# Altium PCB CONTROLLER_BASE.PcbDoc (part 1 of 7)
Units mm, origin at the board's own origin, x right, y up, seen from the top; angles counter-clockwise.
Board outline 258 x 160 mm, 4 copper layers (Top Layer, Internal Plane 1, Internal Plane 2, Bottom Layer); 818 components, 410 nets, 2314 pads, 511 vias.
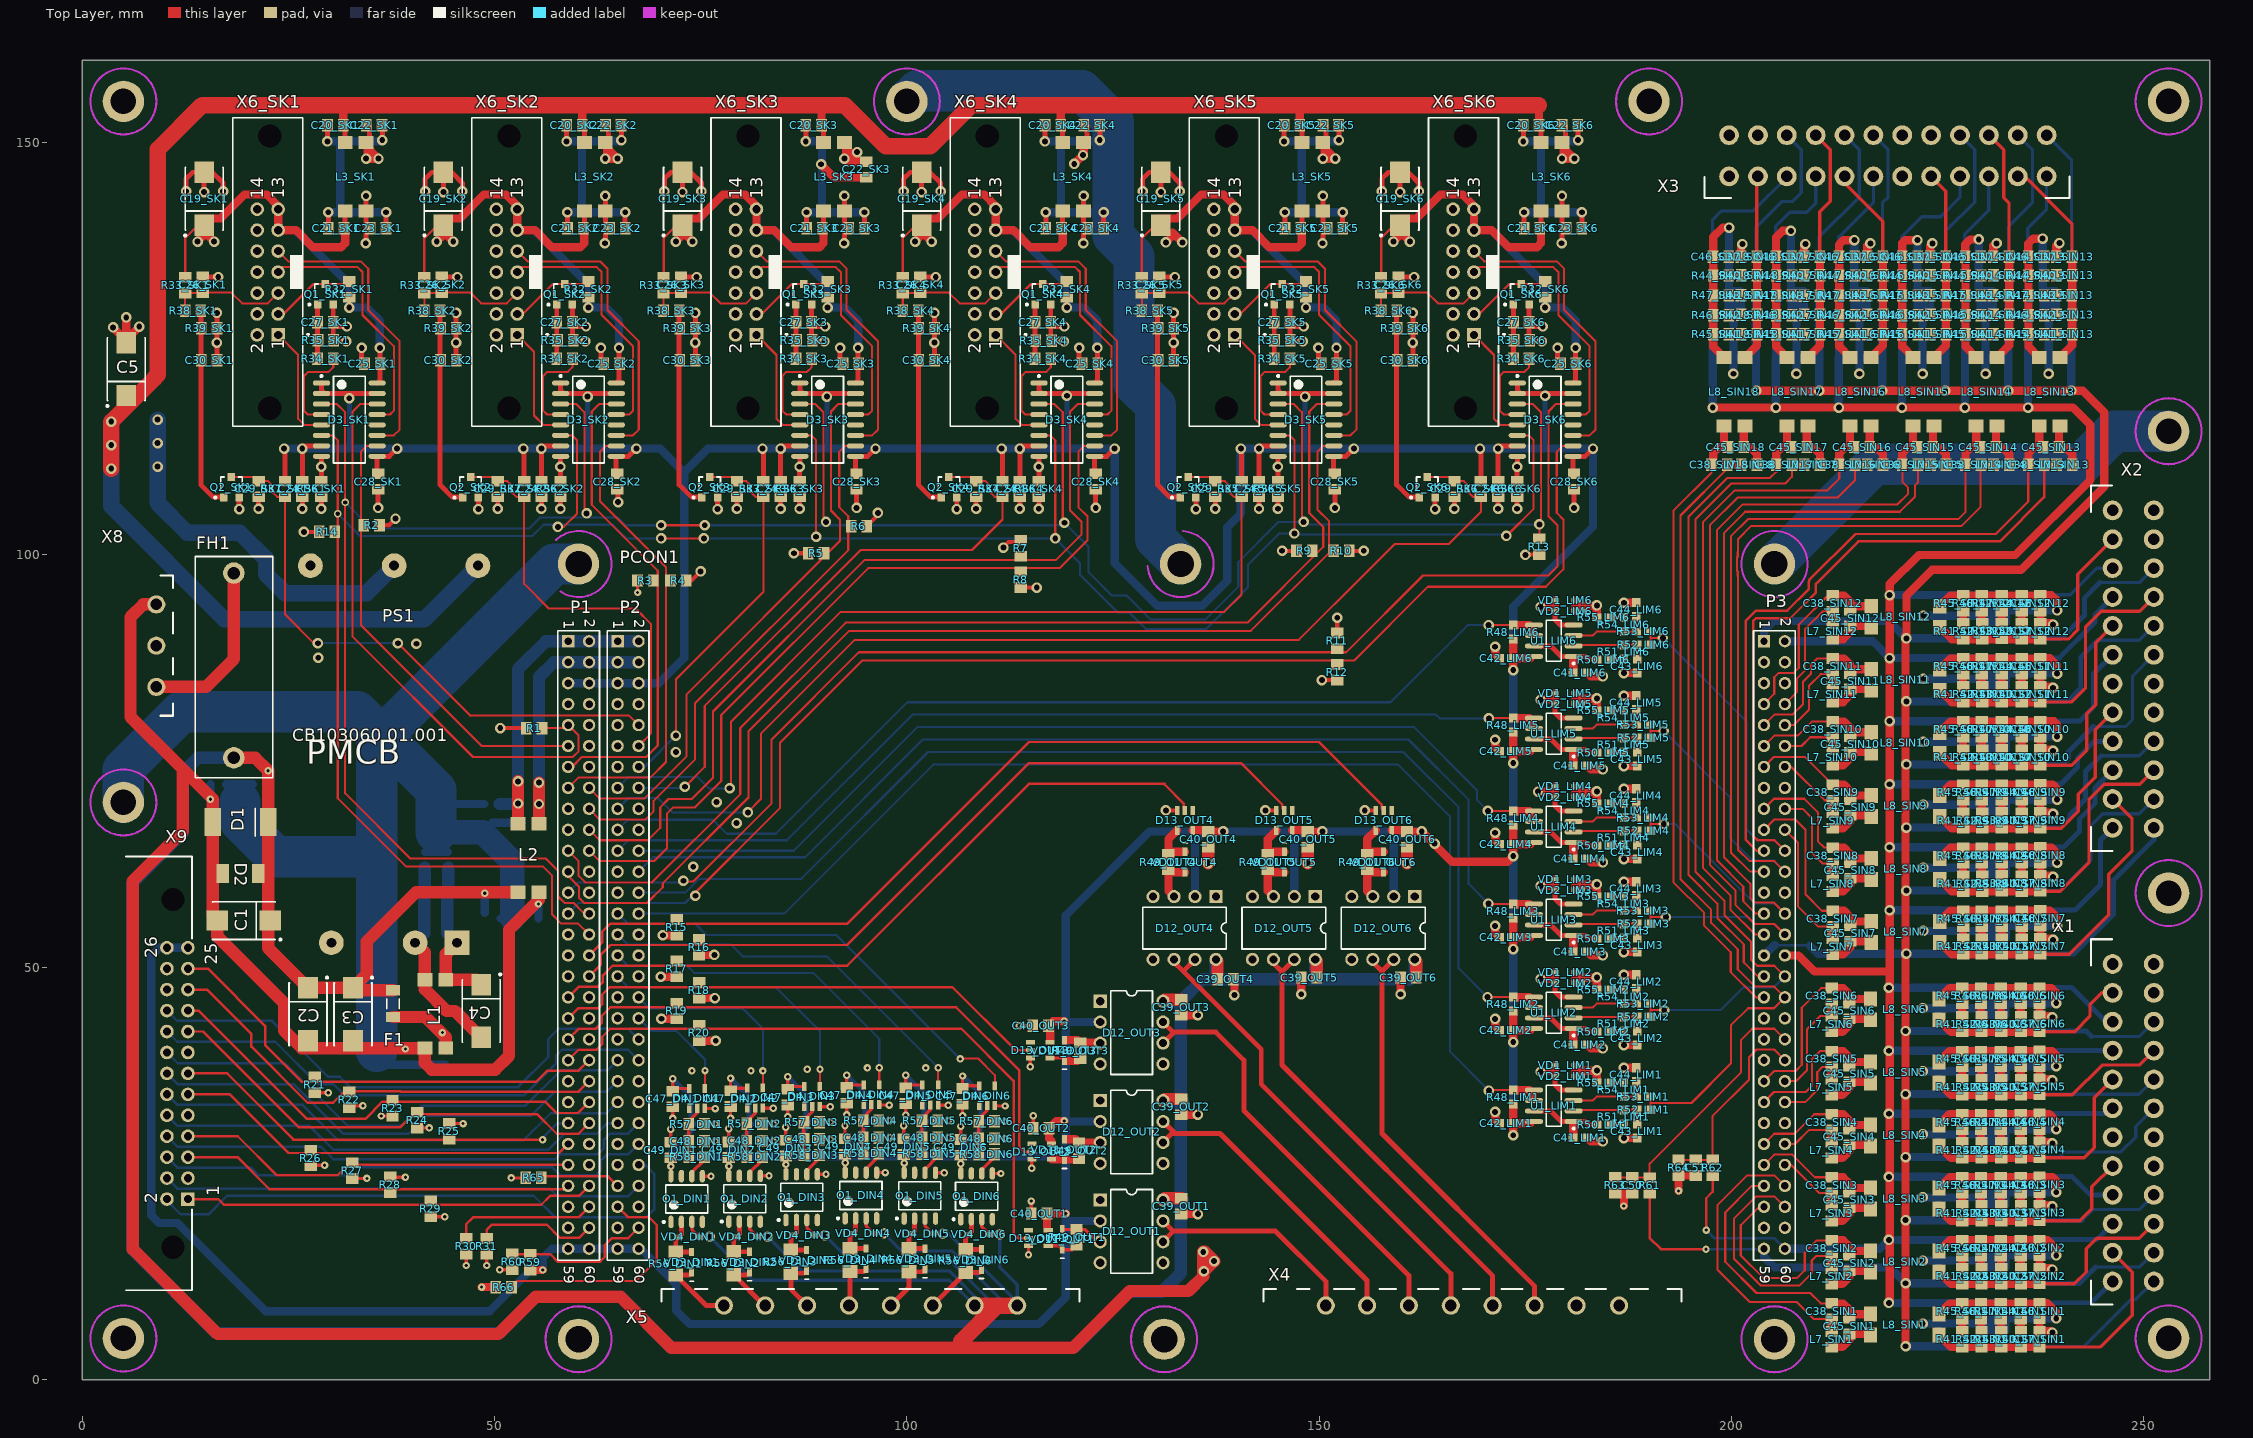
[diagram p0: Top Layer view]
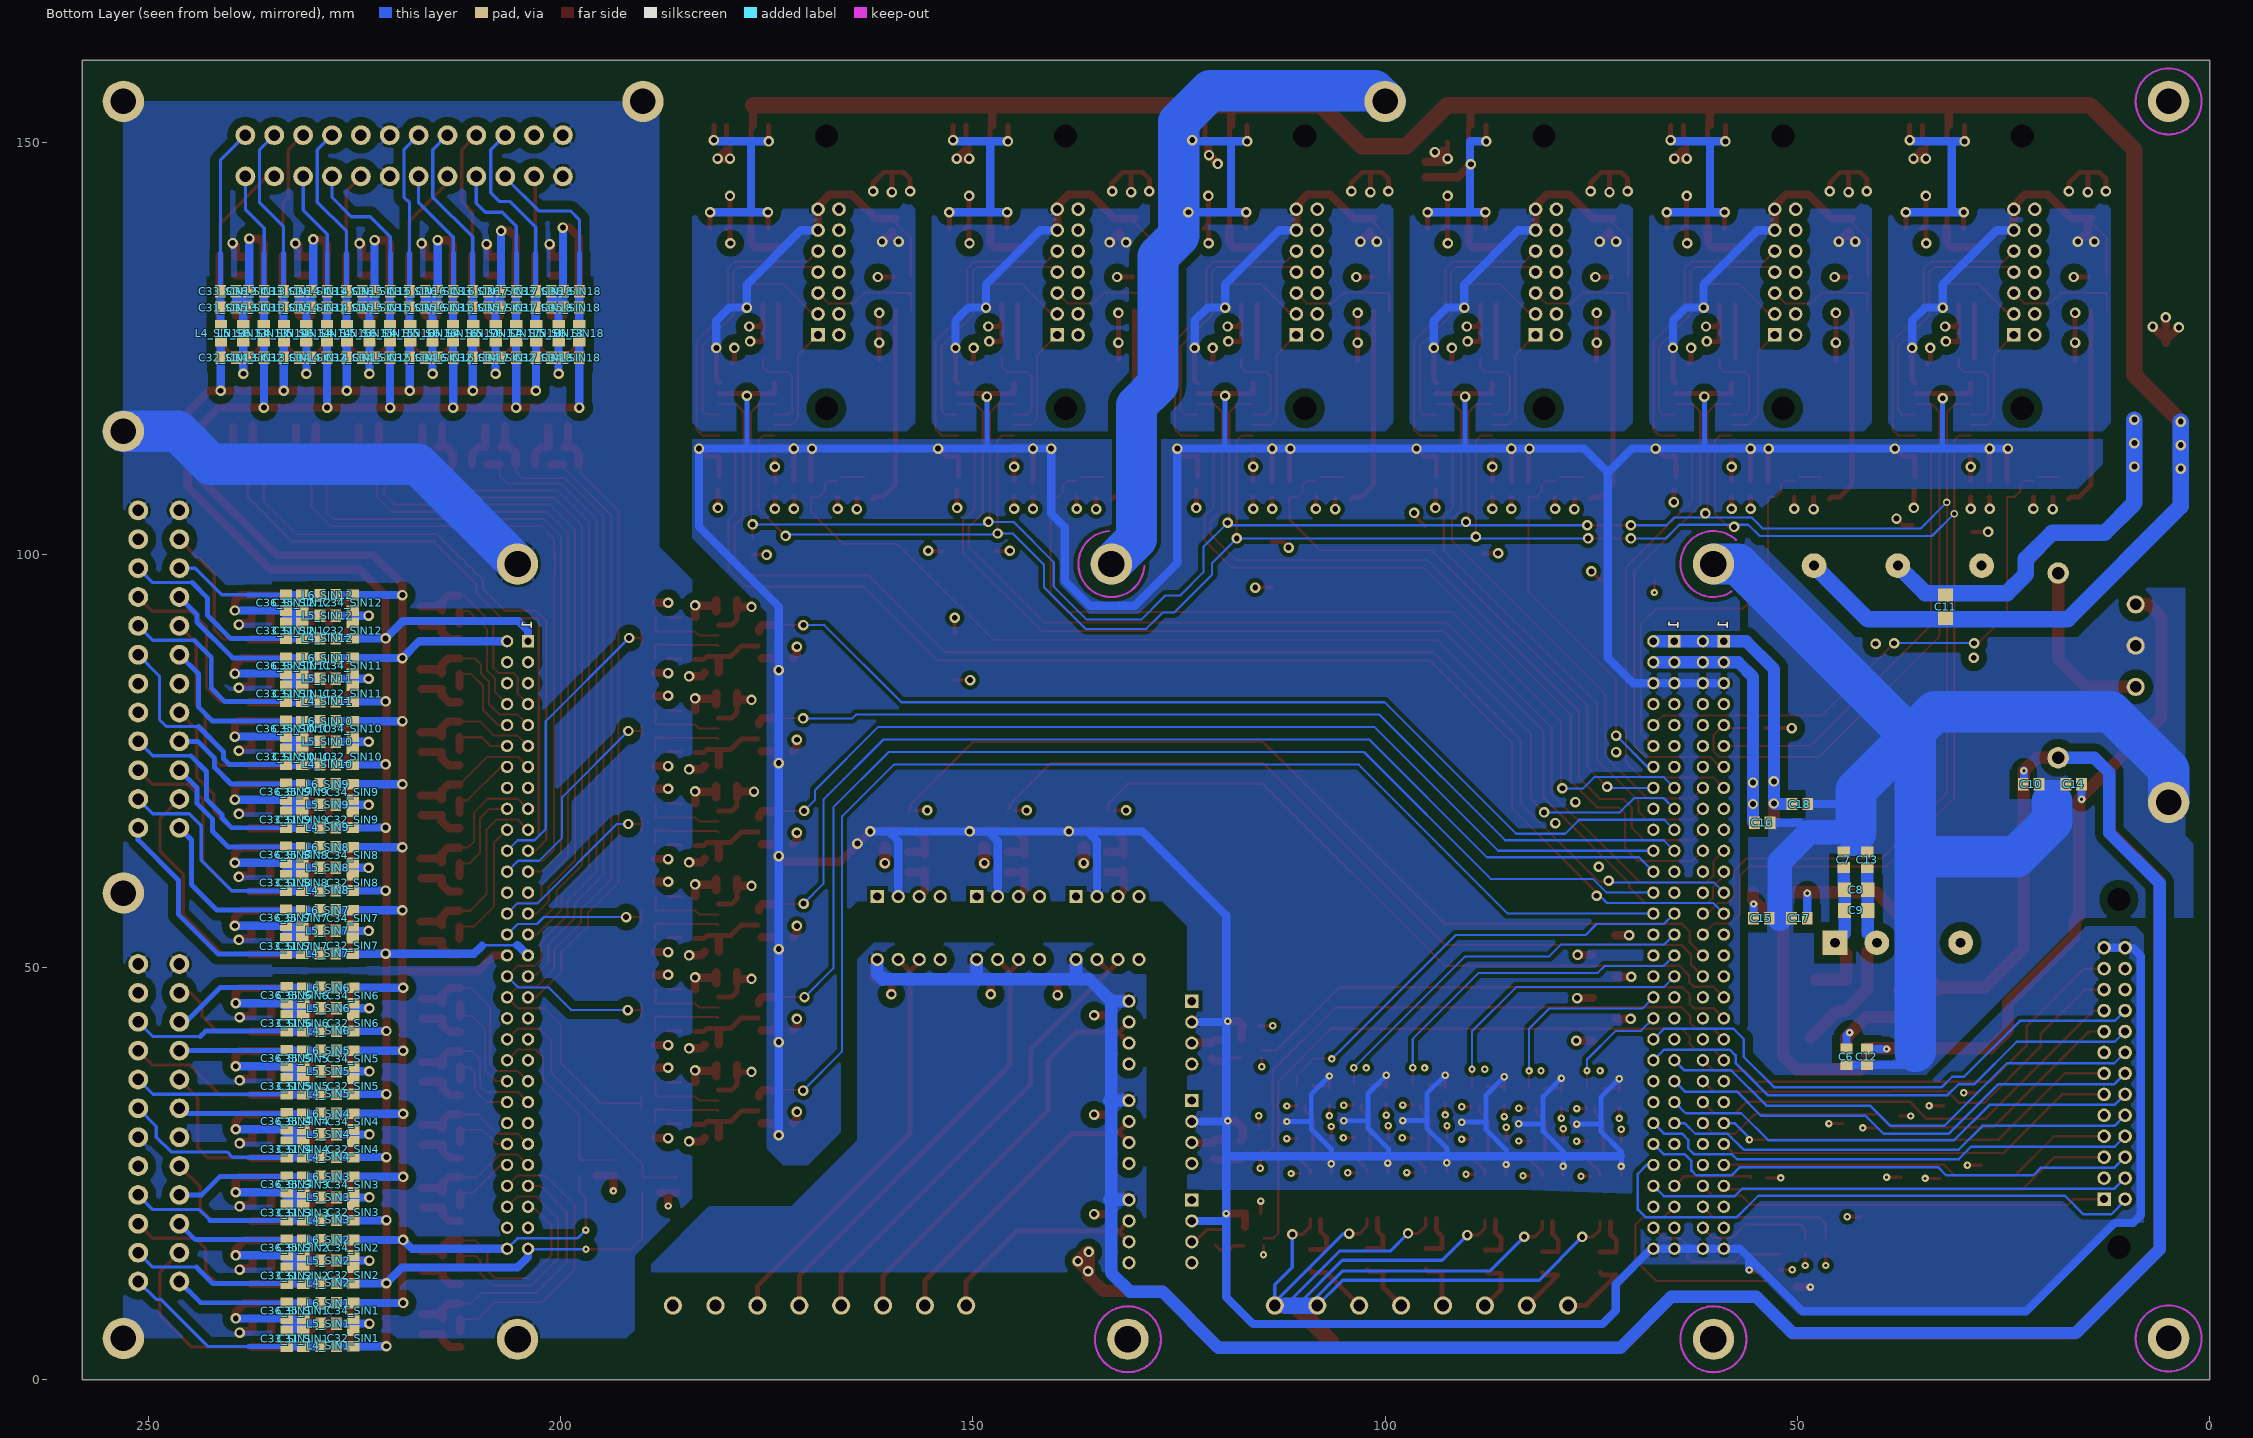
[diagram p1: Bottom Layer view, seen from below]
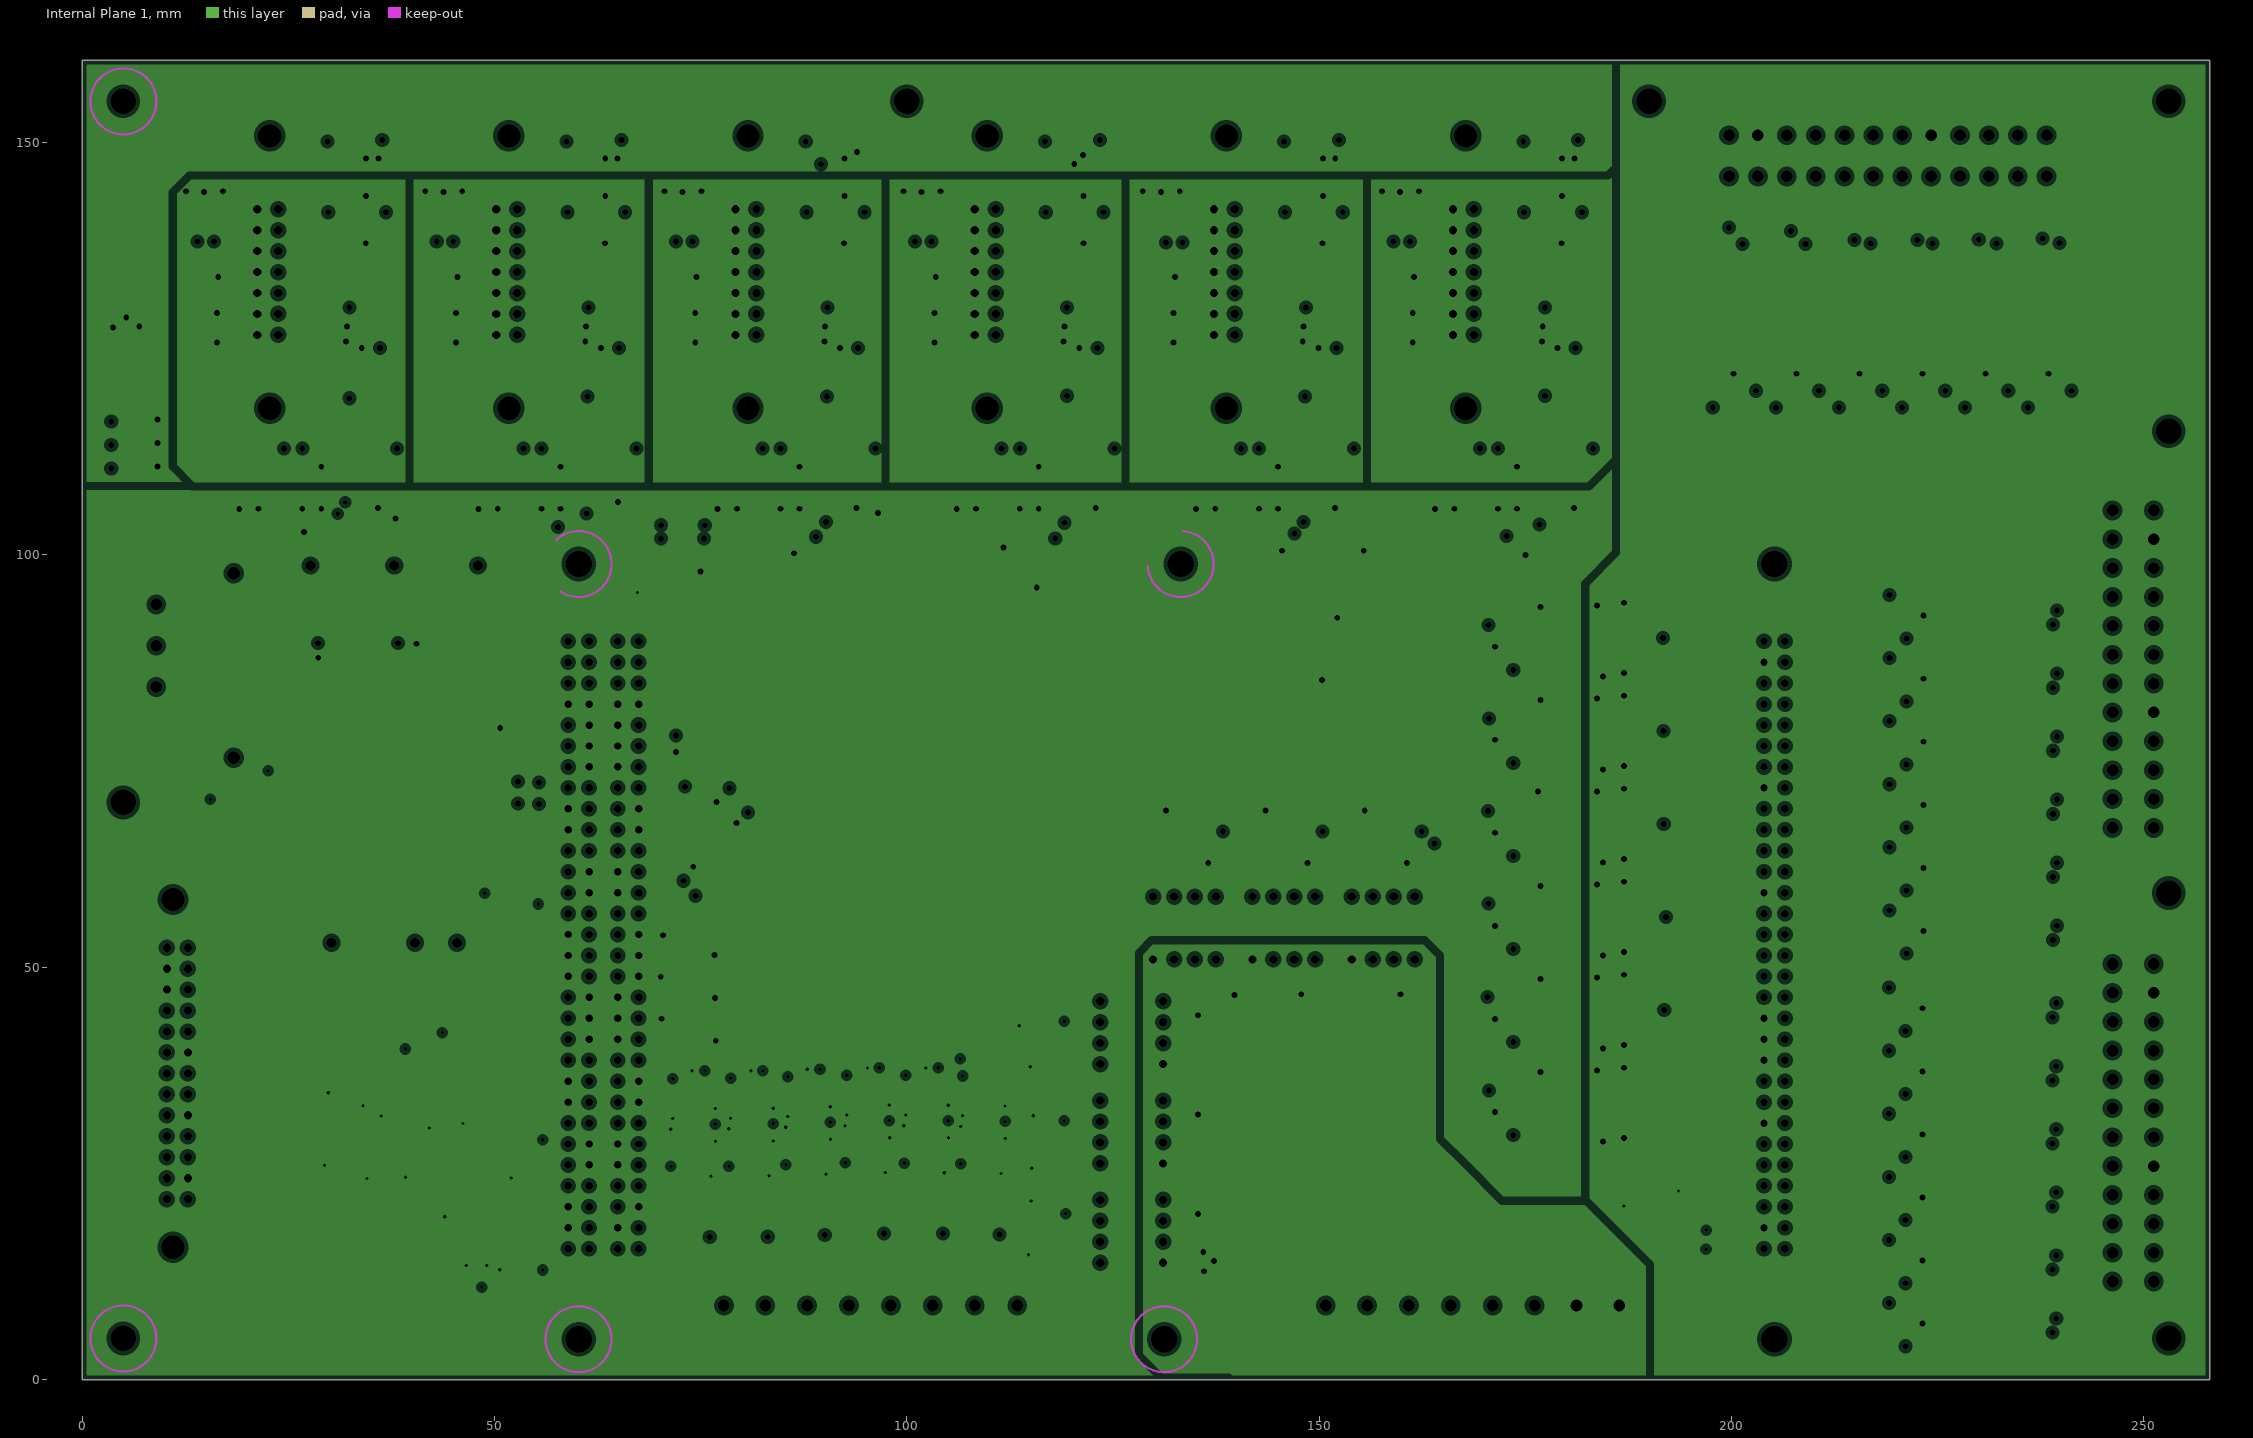
[diagram p2: Internal Plane 1, clearances drawn from the general rule]
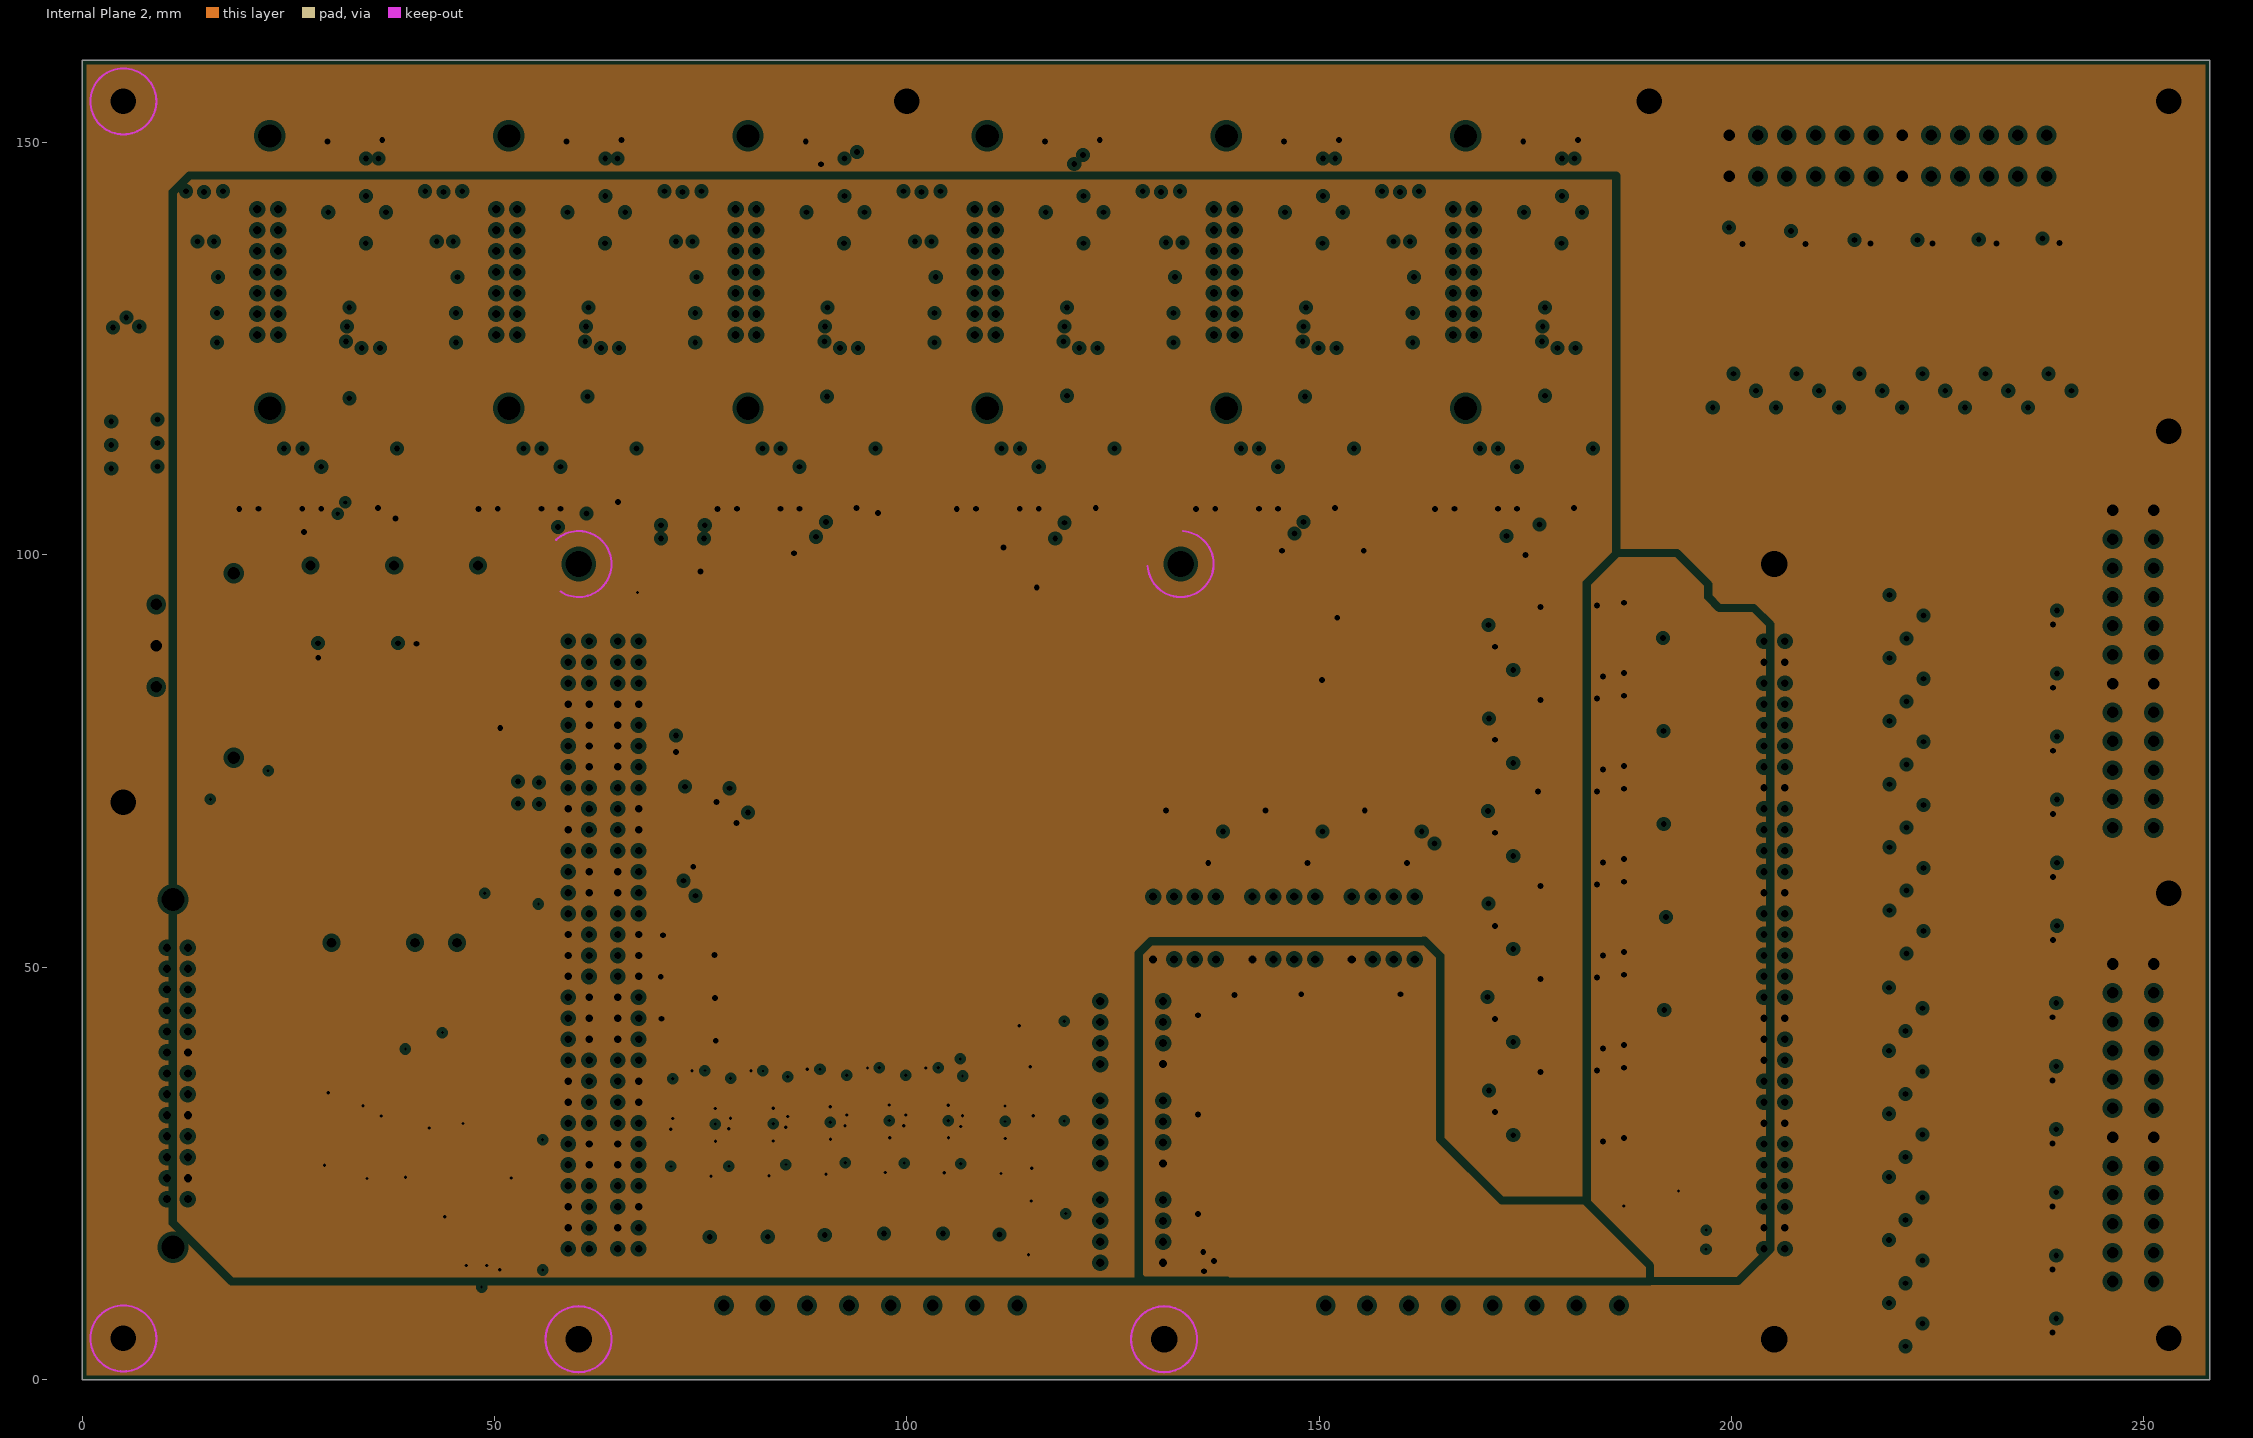
[diagram p3: Internal Plane 2, clearances drawn from the general rule]

## Layer stack, top to bottom
Top Solder: solder mask 0.0102, Solder Resist, Dk 3.5
Top Layer: signal copper 0.0356
Dielectric1: core 0.32, FR-4, Dk 4.8
Internal Plane 1: plane copper 0.0356, net (Multiple Nets)
Dielectric2: prepreg 0.32, FR-4, Dk 4.8
Internal Plane 2: plane copper 0.0356, net (Multiple Nets)
Dielectric3: core 0.32, FR-4, Dk 4.8
Bottom Layer: signal copper 0.0356
Bottom Solder: solder mask 0.0102, Solder Resist, Dk 3.5

## Board outline
0,0 0,160 258,160 258,0

## Design rules (kind name [scope] priority, off if disabled: settings)
Clearance Clearance_4 [All vs InNamedPolygon('BOT24V')] p1: gap=1
Clearance Clearance_3 [InNamedPolygon('BOT15V')] p2: gap=1
Clearance Clearance_2 [InNamedPolygon('BOTSHIELD')] p3: gap=1
Clearance Clearance_1 [InNamedPolygon('BOT5V')] p4: gap=0.5
Clearance [All] p5: gap=0.26
Height [All] p1: minheight=0 maxheight=255.4 prefheight=12.7
HoleSize [All] p1: absolutevalues=TRUE maxlimit=22.54 minlimit=0.025 maxpercent=80.000 minpercent=20.000
MinimumSolderMaskSliver [All] p1: minsoldermaskwidth=0.15
PlaneClearance [All] p1: clearance=0.5
PlaneConnect "Schematic Power Plane Connect Style_20" [InComponent('D12_OUT6')] p1: planeconnectstyle=Relief reliefexpansion=0.3 reliefentries=4 reliefconductorwidth=0.4 reliefairgap=0.3
PlaneConnect "Schematic Power Plane Connect Style_19" [InComponent('D12_OUT2')] p2: planeconnectstyle=Relief reliefexpansion=0.3 reliefentries=4 reliefconductorwidth=0.4 reliefairgap=0.3
PlaneConnect "Schematic Power Plane Connect Style_18" [InComponent('D12_OUT2')] p3: planeconnectstyle=Relief reliefexpansion=0.3 reliefentries=4 reliefconductorwidth=0.4 reliefairgap=0.3
PlaneConnect "Schematic Power Plane Connect Style_17" [InComponent('D12_OUT5')] p4: planeconnectstyle=Relief reliefexpansion=0.3 reliefentries=4 reliefconductorwidth=0.4 reliefairgap=0.3
PlaneConnect "Schematic Power Plane Connect Style_16" [InComponent('D12_OUT6')] p5: planeconnectstyle=Relief reliefexpansion=0.3 reliefentries=4 reliefconductorwidth=0.4 reliefairgap=0.3
PlaneConnect "Schematic Power Plane Connect Style_15" [InComponent('D12_OUT2')] p6: planeconnectstyle=Relief reliefexpansion=0.3 reliefentries=4 reliefconductorwidth=0.4 reliefairgap=0.3
PlaneConnect "Schematic Power Plane Connect Style_14" [InComponent('D12_OUT3')] p7: planeconnectstyle=Relief reliefexpansion=0.3 reliefentries=4 reliefconductorwidth=0.4 reliefairgap=0.3
PlaneConnect "Schematic Power Plane Connect Style_13" [InComponent('D12_OUT2')] p8: planeconnectstyle=Relief reliefexpansion=0.3 reliefentries=4 reliefconductorwidth=0.4 reliefairgap=0.3
PlaneConnect "Schematic Power Plane Connect Style_12" [InComponent('D12_OUT3')] p9: planeconnectstyle=Relief reliefexpansion=0.3 reliefentries=4 reliefconductorwidth=0.4 reliefairgap=0.3
PlaneConnect "Schematic Power Plane Connect Style_11" [InComponent('D12_OUT2')] p10: planeconnectstyle=Relief reliefexpansion=0.3 reliefentries=4 reliefconductorwidth=0.4 reliefairgap=0.3
PlaneConnect "Schematic Power Plane Connect Style_10" [InComponent('D12_OUT3')] p11: planeconnectstyle=Relief reliefexpansion=0.3 reliefentries=4 reliefconductorwidth=0.4 reliefairgap=0.3
PlaneConnect "Schematic Power Plane Connect Style_9" [InComponent('D12_OUT4')] p12: planeconnectstyle=Relief reliefexpansion=0.3 reliefentries=4 reliefconductorwidth=0.4 reliefairgap=0.3
PlaneConnect "Schematic Power Plane Connect Style_8" [InComponent('D12_OUT5')] p13: planeconnectstyle=Relief reliefexpansion=0.3 reliefentries=4 reliefconductorwidth=0.4 reliefairgap=0.3
PlaneConnect "Schematic Power Plane Connect Style_7" [InComponent('D12_OUT6')] p14: planeconnectstyle=Relief reliefexpansion=0.3 reliefentries=4 reliefconductorwidth=0.4 reliefairgap=0.3
PlaneConnect "Schematic Power Plane Connect Style_6" [InComponent('PCON1')] p15: planeconnectstyle=Relief reliefexpansion=0.3 reliefentries=4 reliefconductorwidth=0.4 reliefairgap=0.3
PlaneConnect "Schematic Power Plane Connect Style_5" [InComponent('X1')] p16: planeconnectstyle=Relief reliefexpansion=0.3 reliefentries=4 reliefconductorwidth=0.4 reliefairgap=0.3
PlaneConnect "Schematic Power Plane Connect Style_4" [InComponent('X2')] p17: planeconnectstyle=Relief reliefexpansion=0.3 reliefentries=4 reliefconductorwidth=0.4 reliefairgap=0.3
PlaneConnect "Schematic Power Plane Connect Style_3" [InComponent('X3')] p18: planeconnectstyle=Relief reliefexpansion=0.3 reliefentries=4 reliefconductorwidth=0.4 reliefairgap=0.3
PlaneConnect "Schematic Power Plane Connect Style_2" [InComponent('X9')] p19: planeconnectstyle=Relief reliefexpansion=0.3 reliefentries=4 reliefconductorwidth=0.4 reliefairgap=0.3
PlaneConnect "Schematic Power Plane Connect Style_1" [InComponent('X4')] p20: planeconnectstyle=Relief reliefexpansion=0.3 reliefentries=4 reliefconductorwidth=0.3 reliefairgap=0.3
PlaneConnect "Schematic Power Plane Connect Style" [InComponent('X5')] p21: planeconnectstyle=Relief reliefexpansion=0.3 reliefentries=4 reliefconductorwidth=0.3 reliefairgap=0.3
PlaneConnect [All] p22: planeconnectstyle=Direct reliefexpansion=0.508 reliefentries=4 reliefconductorwidth=0.254 reliefairgap=0.254
PolygonConnect "Schematic Polygon Connect Style_155" [InComponent('D12_OUT1')] p1: connectstyle=Relief reliefconductorwidth=0.4 reliefentries=4 polygonreliefangle="45 Angle" airgapwidth=0.3
PolygonConnect "Schematic Polygon Connect Style_154" [InComponent('D12_OUT5')] p2: connectstyle=Relief reliefconductorwidth=0.4 reliefentries=4 polygonreliefangle="45 Angle" airgapwidth=0.3
PolygonConnect "Schematic Polygon Connect Style_153" [InComponent('D12_OUT6')] p3: connectstyle=Relief reliefconductorwidth=0.4 reliefentries=4 polygonreliefangle="45 Angle" airgapwidth=0.3
PolygonConnect "Schematic Polygon Connect Style_152" [InComponent('X6_SK3')] p4: connectstyle=Relief reliefconductorwidth=0.4 reliefentries=4 polygonreliefangle="45 Angle" airgapwidth=0.3
PolygonConnect "Schematic Polygon Connect Style_151" [InComponent('X6_SK2')] p5: connectstyle=Relief reliefconductorwidth=0.4 reliefentries=4 polygonreliefangle="45 Angle" airgapwidth=0.3
PolygonConnect "Schematic Polygon Connect Style_150" [InComponent('X6_SK4')] p6: connectstyle=Relief reliefconductorwidth=0.4 reliefentries=4 polygonreliefangle="45 Angle" airgapwidth=0.3
PolygonConnect "Schematic Polygon Connect Style_149" [InComponent('X6_SK5')] p7: connectstyle=Relief reliefconductorwidth=0.4 reliefentries=4 polygonreliefangle="45 Angle" airgapwidth=0.3
PolygonConnect "Schematic Polygon Connect Style_146" [InComponent('X6_SK6')] p8: connectstyle=Relief reliefconductorwidth=0.4 reliefentries=4 polygonreliefangle="45 Angle" airgapwidth=0.3
PolygonConnect "Schematic Polygon Connect Style_148" [InComponent('D12_OUT5')] p9: connectstyle=Relief reliefconductorwidth=0.4 reliefentries=4 polygonreliefangle="45 Angle" airgapwidth=0.3
PolygonConnect "Schematic Polygon Connect Style_147" [InComponent('D12_OUT6')] p10: connectstyle=Relief reliefconductorwidth=0.4 reliefentries=4 polygonreliefangle="45 Angle" airgapwidth=0.3
PolygonConnect "Schematic Polygon Connect Style_145" [InComponent('X6_SK2')] p11: connectstyle=Relief reliefconductorwidth=0.4 reliefentries=4 polygonreliefangle="45 Angle" airgapwidth=0.3
PolygonConnect "Schematic Polygon Connect Style_144" [InComponent('X6_SK4')] p12: connectstyle=Relief reliefconductorwidth=0.4 reliefentries=4 polygonreliefangle="45 Angle" airgapwidth=0.3
PolygonConnect "Schematic Polygon Connect Style_143" [InComponent('X6_SK5')] p13: connectstyle=Relief reliefconductorwidth=0.4 reliefentries=4 polygonreliefangle="45 Angle" airgapwidth=0.3
PolygonConnect "Schematic Polygon Connect Style_139" [InComponent('X6_SK6')] p14: connectstyle=Relief reliefconductorwidth=0.4 reliefentries=4 polygonreliefangle="45 Angle" airgapwidth=0.3
PolygonConnect "Schematic Polygon Connect Style_142" [InComponent('D12_OUT4')] p15: connectstyle=Relief reliefconductorwidth=0.4 reliefentries=4 polygonreliefangle="45 Angle" airgapwidth=0.3
PolygonConnect "Schematic Polygon Connect Style_141" [InComponent('D12_OUT5')] p16: connectstyle=Relief reliefconductorwidth=0.4 reliefentries=4 polygonreliefangle="45 Angle" airgapwidth=0.3